# Altium PCB mb1260.PcbDoc (part 6 of 7) (continued)
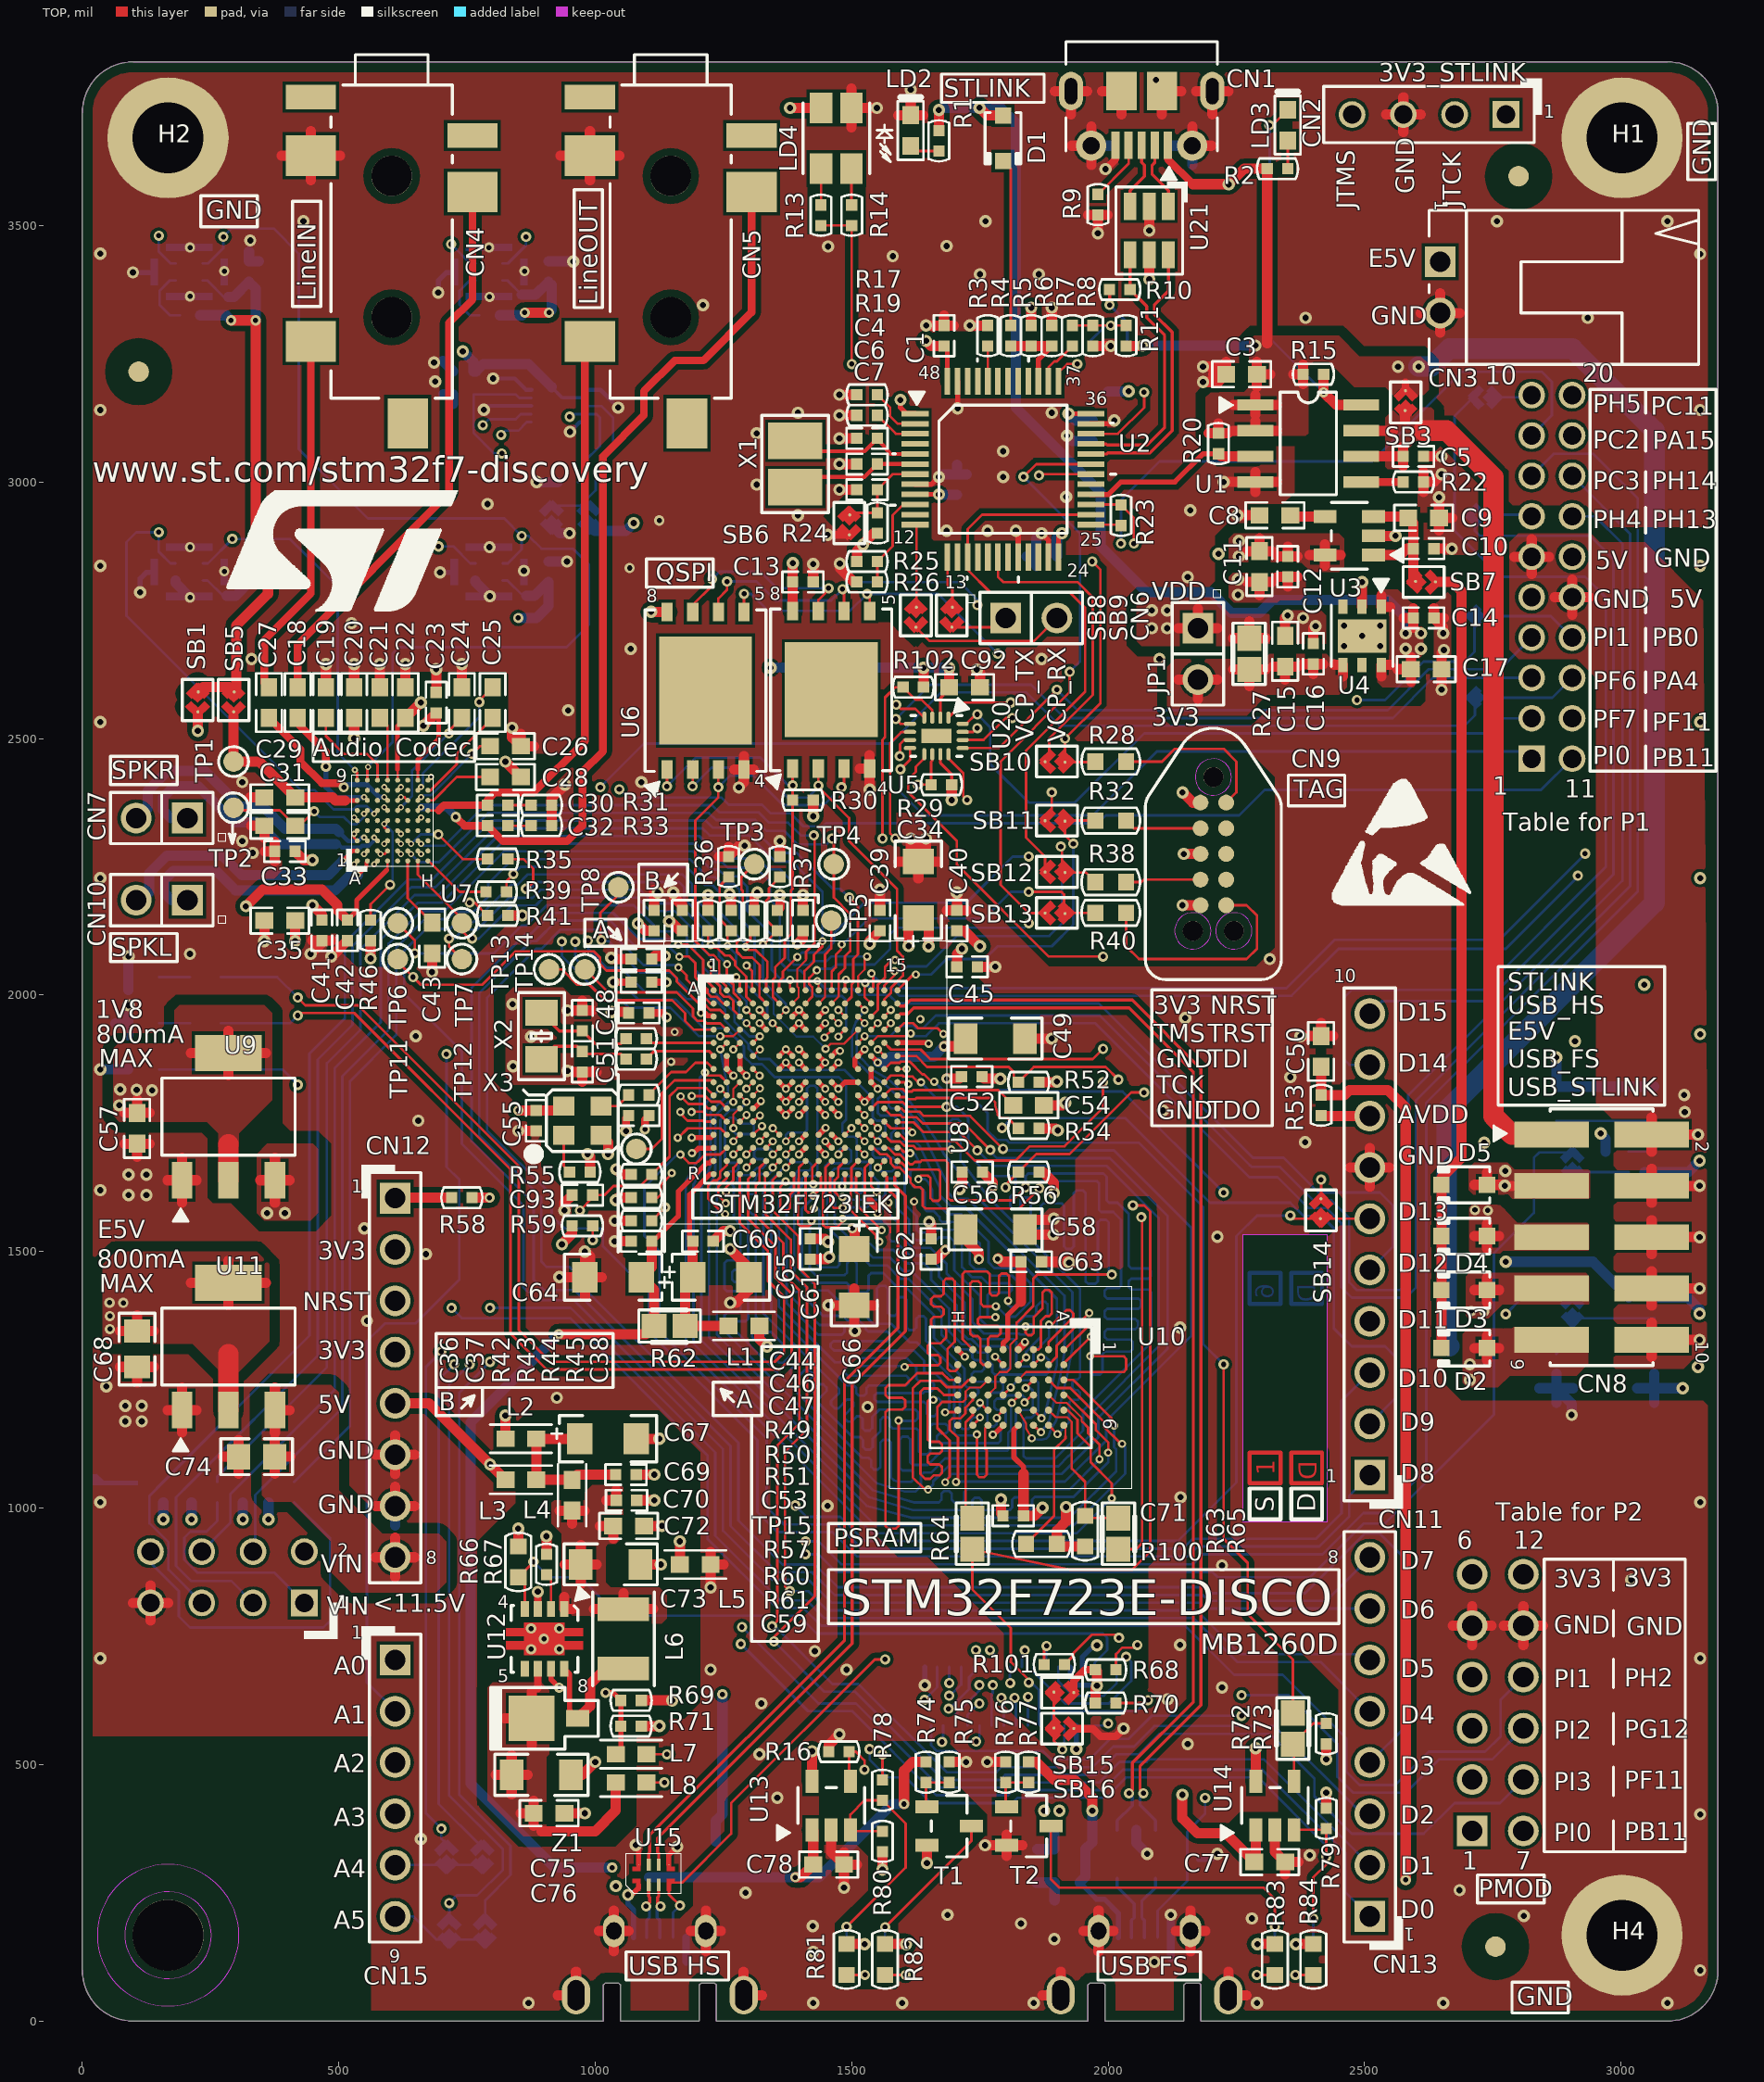
[diagram p0: TOP view]
## Other copper (continued)

## Silkscreen, mask and mechanical layers (free items; w line width, h text height)
Top Overlay:
  drawing of 5591 lines, arcs and shapes, not listed
  text "3V3_STLINK" at 2528,3781 h35
  text "STLINK" at 1680,3750 h35
  text "GND" at 3175.3,3598.1 h35 r90
  text "GND" at 2596,3562 h35 r90
  text "JTCK" at 2687,3535 h35 r90
  text "JTMS" at 2481,3532 h35 r90
  text "GND" at 241.1,3512.7 h35
  text "E5V" at 2507,3419 h35
  text "LineIN" at 455,3353 h35 r90
  text "LineOUT" at 1004,3345 h35 r90
  text "GND" at 2512,3307 h35
  text "20" at 2925,3195 h35
  text "10" at 2735,3190 h35
  text "PH5" at 2945,3135 h35
  text "PC11" at 3058,3131 h35
  text "PC2" at 2945,3065 h35
  text "PA15" at 3061,3064 h35
  text "www.st.com/stm32f7-discovery" at 20,3000 h50
  text "PC3" at 2945,2985 h35
  text "PH14" at 3060,2985 h35
  text "PH4" at 2945,2910 h35
  text "PH13" at 3060,2910 h35
  text "GND" at 3065,2835 h35
  text "5V" at 2950,2830 h35
  text "QSPI" at 1117.64,2806.5 h35
  text "VDD" at 2085,2770 h35
  text "5V" at 3095,2755 h35
  text "GND" at 2946,2754 h35
  text "PI1" at 2945,2680 h35
  text "PB0" at 3060,2680 h35
  text "PF6" at 2945,2595 h35
  text "PA4" at 3060,2595 h35
  text "3V3" at 2085,2525 h35
  text "PF7" at 2945,2520 h35
  text "PF11" at 3060,2515 h35
  text "VCP_TX" at 1855,2493 h35 r90
  text "VCP_RX" at 1917,2492 h35 r90
  text "Audio" at 450,2465 h35
  text "Codec" at 610,2465 h35
  text "PI0" at 2945,2450 h35
  text "PB11" at 3060,2445 h35
  text "SPKR" at 57.1,2420.7 h35
  text "1" at 2750,2390 h35
  text "11" at 2890,2385 h35
  text "TAG" at 2361.1,2383.7 h35
  text "Table for P1" at 2770,2320 h35
  text "B" at 1095,2205 h35
  text "A" at 995,2110 h35
  text "SPKL" at 57.1,2075.7 h35
  text "STLINK" at 2779,2008 h35
  text "3V3" at 2089,1963 h35
  text "NRST" at 2199,1963 h35
  text "USB_HS" at 2779,1963 h35
  text "1V8" at 26,1955 h35
  text "D15" at 2565,1950 h35
  text "E5V" at 2779,1913 h35
  text "TMS" at 2089,1908 h35
  text "TRST" at 2194,1908 h35
  text "800mA" at 27,1906 h35
  text "MAX" at 32,1859 h35
  text "GND" at 2094,1858 h35
  text "TDI" at 2194,1858 h35
  text "USB_FS" at 2779,1858 h35
  text "D14" at 2565,1850 h35
  text "TCK" at 2094,1808 h35
  text "USB_STLINK" at 2779,1803 h35
  text "GND" at 2094,1758 h35
  text "TDO" at 2194,1758 h35
  text "AVDD" at 2565,1750 h35
  text "GND" at 2565,1670 h35
  text "STM32F723IEK" at 1222,1575 h35
  text "D13" at 2565,1560 h35
  text "E5V" at 30,1526 h35
  text "3V3" at 460,1485 h35
  text "800mA" at 29,1468 h35
  text "D12" at 2565,1460 h35
  text "MAX" at 33,1420 h35
  text "NRST" at 430,1385 h35
  text "D11" at 2565,1350 h35
  text "3V3" at 460,1290 h35
  text "D10" at 2565,1235 h35
  text "A" at 1275,1195 h35
  text "B" at 695,1190 h35
  text "5V" at 460,1185 h35
  text "D9" at 2570,1150 h35
  text "GND" at 460,1095 h35
  text "D8" at 2570,1050 h35
  text "S" at 2323,992 h35 r90
  text "D" at 2404,992 h35 r90
  text "GND" at 460,990 h35
  text "Table for P2" at 2755,975 h35
  text "PSRAM" at 1465,925 h35
  text "6" at 2680,920 h35
  text "12" at 2790,920 h35
  text "D7" at 2570,880 h35
  text "VIN" at 465,874 h35
  text "3V3" at 3006,847 h35
  text "3V3" at 2869,845 h35
  text "<11.5V" at 567,797 h35
  text "VIN" at 477,792 h35
  text "STM32F723E-DISCO" at 1478.78,790.59 h70
  text "D6" at 2570,785 h35
  text "GND" at 2869,755 h35
  text "GND" at 3011,752 h35
  text "MB1260D" at 2180,715 h40
  text "A0" at 490,675 h35
  text "D5" at 2570,670 h35
  text "PH2" at 3006,652 h35
  text "PI1" at 2869,650 h35
  text "A1" at 490,580 h35
  text "D4" at 2570,580 h35
  text "PG12" at 3006,552 h35
  text "PI2" at 2869,550 h35
  text "A2" at 490,485 h35
  text "D3" at 2570,480 h35
  text "PF11" at 3006,452 h35
  text "PI3" at 2869,450 h35
  text "D2" at 2570,385 h35
  text "A3" at 490,380 h35
  text "PB11" at 3006,352 h35
  text "PI0" at 2869,350 h35
  text "1" at 2690,295 h35
  text "7" at 2795,295 h35
  text "D1" at 2570,285 h35
  text "A4" at 490,280 h35
  text "PMOD" at 2722.1,240.7 h35
  text "D0" at 2570,200 h35
  text "A5" at 490,180 h35
  text "USB HS" at 1065,90 h35
  text "USB FS" at 1985,90 h35
  text "GND" at 2797.1,30.7 h35
  text "SILKSCREEN, (PRIMARY)" at 1943.2,-2056.3 h60
  text "SILKSCREEN, (PRIMARY)" at 1943.2,-2056.3 h60
Bottom Overlay:
  drawing of 5533 lines, arcs and shapes, not listed
  text "3V3_STLINK" at 2860,3765 h35
  text "STLINK" at 2160,3720 h35
  text "GND" at 407,3701 h35
  text "GND" at 2550,3570 h35 r270
  text "JTMS" at 2460,3560 h35 r270
  text "JTCK" at 2660,3550 h35 r270
  text "GND" at 3040,3486 h35
  text "STM32F723E-DISCO" at 2105.72,3450.1 h70
  text "E5V" at 2815,3405 h35
  text "www.st.com/stm32f7-discovery" at 2147,3372 h50
  text "GND" at 2815,3320 h35
  text "1" at 2490,3060 h35 r270
  text "1" at 2555,3060 h35 r270
  text "UART" at 2610,3030 h35 r270
  text "RTS,PF8" at 2255,2975 h35 r270
  text "RX,PF6" at 2315,2975 h35 r270
  text "TX,PF7" at 2375,2975 h35 r270
  text "CTS,PF9" at 2435,2975 h35 r270
  text "0" at 2490,2825 h35 r270
  text "1" at 2560,2825 h35 r270
  text "VDD" at 2220,2760 h35
  text "RX,PF6" at 2315,2745 h35 r270
  text "SCK,PI1" at 2260,2740 h35 r270
  text "TX,PF7" at 2370,2740 h35 r270
  text "NSS,PI0" at 2435,2735 h35 r270
  text "UART/SPI" at 2610,2710 h35 r270
  text "VCPTX" at 1775,2660 h35
  text "VCPRX" at 2045,2660 h35
  text "0" at 2490,2550 h35 r270
  text "0" at 2555,2550 h35 r270
  text "3V3" at 2225,2525 h35
  text "SPI" at 2610,2520 h35 r270
  text "MOSI,PI3" at 2380,2435 h35 r270
  text "NSS,PI0" at 2435,2435 h35 r270
  text "MB1260D" at 245,2430 h50 r270
  text "SCK,PI1" at 2260,2430 h35 r270
  text "MISO,PI2" at 2320,2430 h35 r270
  text "SPKR" at 170,2405 h35
  text "PMOD#4" at 2260,2180 h35 r270
  text "PMOD#3" at 2320,2180 h35 r270
  text "PMOD#2" at 2375,2180 h35 r270
  text "PMOD#1" at 2435,2180 h35 r270
  text "SPKL" at 170,2097 h35
  text "SEL_1,PI10" at 2495,2090 h35 r270
  text "SEL_0,PH15" at 2555,2090 h35 r270
  text "PH4" at 2645,1950 h35
  text "USER&WAKEUP" at 3146,1949 h35
  text "PH5" at 2645,1850 h35
  text "VREF+" at 2710,1750 h35
  text "GND" at 2645,1645 h35
  text "PA5" at 2645,1550 h35
  text "B" at 2324,1509 h35 r90
  text "D" at 2405,1509 h35 r90
  text "3V3" at 570,1485 h35
  text "PB4" at 2645,1450 h35
  text "LCD" at 1505,1435 h75
  text "NRST" at 570,1385 h35
  text "PB5" at 2645,1345 h35
  text "3V3" at 565,1290 h35
  text "PA1" at 2645,1245 h35
  text "5V" at 565,1185 h35
  text "PH6" at 2645,1145 h35
  text "GND" at 565,1095 h35
  text "RESET" at 3050,1080 h35
  text "PE4" at 2645,1050 h35
  text "WIFI" at 35,990 h35 r270
  text "GND" at 565,990 h35
  text "PE3" at 2645,890 h35
  text "<11.5V" at 760,830 h35
  text "VIN" at 855,825 h35
  text "PE6" at 2645,790 h35
  text "PA6" at 550,685 h35
  text "PB0" at 2645,685 h35
  text "<-" at 455,595 h35
  text "PA4" at 550,590 h35
  text "PH3" at 2645,590 h35
  text "<-" at 455,485 h35
  text "PC4" at 550,485 h35
  text "PE5" at 2645,485 h35
  text "PC5" at 2645,385 h35
  text "PF10" at 550,365 h35
  text "PA2" at 2645,280 h35
  text "PC0" at 550,275 h35
  text "PC1" at 550,190 h35
  text "PA3" at 2645,180 h35
  text "GND" at 2895,30 h35
  text "USB HS" at 1525,15 h35
  text "USB FS" at 2490,15 h35
  text "SILKSCREEN, (SECONDARY)" at 3028.8,-2048.37 h60
  text "SILKSCREEN, (SECONDARY)" at 3028.8,-2048.37 h60
Top Paste:
  region: 940.37,776.5 861.63,776.5 861.63,765.67 826.2,765.67 826.2,749.92 861.63,749.92 861.63,740.08 826.2,740.08 826.2,724.33 861.63,724.33 861.63,713.5 940.37,713.5 940.37,724.33 975.8,724.33 975.8,740.08 940.37,740.08 940.37,749.92 975.8,749.92 975.8,765.67 940.37,765.67 940.37,776.5
  region: 1088.41,292.88 1072.66,292.88 1072.66,300.75 1080.53,300.75 1080.53,316.5 1088.41,316.5 1088.41,292.88
  region: 1139.59,292.88 1155.34,292.88 1155.34,300.75 1147.47,300.75 1147.47,316.5 1139.59,316.5 1139.59,292.88
  region: 1088.41,277.12 1072.66,277.12 1072.66,269.25 1080.53,269.25 1080.53,253.5 1088.41,253.5 1088.41,277.12
  region: 1139.59,277.12 1155.34,277.12 1155.34,269.25 1147.47,269.25 1147.47,253.5 1139.59,253.5 1139.59,277.12
  text "SOLDER PASTE (PRIMARY)" at 1943.2,-2056.3 h60
  text "SOLDER PASTE (PRIMARY)" at 1943.2,-2056.3 h60
Bottom Paste:
  text "SOLDER PASTE (SECONDARY)" at 1943.2,-2056.3 h60
  text "SOLDER PASTE (SECONDARY)" at 1943.2,-2056.3 h60
Top Solder:
  region: 940.37,776.5 861.63,776.5 861.63,765.67 826.2,765.67 826.2,749.92 861.63,749.92 861.63,740.08 826.2,740.08 826.2,724.33 861.63,724.33 861.63,713.5 940.37,713.5 940.37,724.33 975.8,724.33 975.8,740.08 940.37,740.08 940.37,749.92 975.8,749.92 975.8,765.67 940.37,765.67 940.37,776.5
  region: 1090.41,318.5 1090.41,290.88 1070.66,290.88 1070.66,302.75 1078.53,302.75 1078.53,318.5 1090.41,318.5
  region: 1137.59,318.5 1149.47,318.5 1149.47,302.75 1157.34,302.75 1157.34,290.88 1137.59,290.88 1137.59,318.5
  region: 1090.41,251.5 1078.53,251.5 1078.53,267.25 1070.66,267.25 1070.66,279.12 1090.41,279.12 1090.41,251.5
  region: 1137.59,251.5 1137.59,279.12 1157.34,279.12 1157.34,267.25 1149.47,267.25 1149.47,251.5 1137.59,251.5
  text "SOLDER MASK (PRIMARY)" at 1943.2,-2056.3 h60
  text "SOLDER MASK (PRIMARY)" at 1943.2,-2056.3 h60
Bottom Solder:
  text "SOLDER MASK (SECONDARY)" at 1943.2,-2056.3 h60
  text "SOLDER MASK (SECONDARY)" at 1943.2,-2056.3 h60
Mechanical 1:
  lines w1: 134,2840 134,2875 170,2875 170,2840 134,2840 ; 135.69,870.11 235.09,870.11 235.09,932.43 135.69,932.43 135.69,870.11 ; 140.69,2375.11 240.09,2375.11 240.09,2437.43 140.69,2437.43 140.69,2375.11 ; 145,3350 145,3460 181,3460 181,3350 145,3350 ; 150.69,1770.11 250.09,1770.11 250.09,1832.43 150.69,1832.43 150.69,1770.11 ; 245,2770 245,2880 281,2880 281,2770 245,2770 ; 245,3350 245,3460 281,3460 281,3350 245,3350 ; 518.78,2246.26 689.01,2246.26 689.01,2437.92 518.78,2437.92 518.78,2246.26 ; 715,2840 715,2875 751,2875 751,2840 715,2840 ; 725,3350 725,3460 761,3460 761,3350 725,3350 ; 830,2770 830,2880 866,2880 866,2770 830,2770 ; 835,3350 835,3460 871,3460 871,3350 835,3350 ; 849.21,3107.97 849.21,3177.33 885.21,3177.33 885.21,3107.97 849.21,3107.97 ; 964.21,3107.97 964.21,3177.33 1000.21,3177.33 1000.21,3107.97 964.21,3107.97 ; 1200,1631.82 1200,2033.18 1206.82,2040 1360,2040 1390,2070 1505,2070 1535,2040 1615,2040 1615,1970 1640,1945 1640,1670 1615,1645 1615,1605 1615,1600 1594.13,1579.13 1545.87,1579.13 1520,1605 1226.82,1605 1200,1631.82 ; 1675,1140 1675,1344.28 1770,1344.28 1785,1359.28 1785,1390 1790,1395 1830,1395 1835,1390 1835,1349.28 1840,1344.28 1950,1344.28 1950,1140 1942,1132 1912,1132 1904,1140 1675,1140
DIMENSION:
  drawing of 513 lines, arcs and shapes, not listed
  text "FAB DARWING & DRILL LEGEND" at 1943.2,-2056.3 h60
  text "FAB DARWING & DRILL LEGEND" at 1943.2,-2056.3 h60
LAY2:
  lines w8: 2276,1118 2276,1128 2276,1178 2336,1178 2336,1118 2276,1118 ; 2357,1118 2357,1128 2357,1178 2417,1178 2417,1118 2357,1118
  text "2" at 2324,1136 h35 r90
  text "D" at 2405,1136 h35 r90
  text "2" at 2443.2,-1906.3 h75
  text "2" at 2443.2,-1906.3 h75
  text "LAYER 2 (GND PLANE)" at 1943.2,-2056.3 h60
  text "LAYER 2 (GND PLANE)" at 1943.2,-2056.3 h60
LAY4:
  lines w8: 2276,1258 2276,1268 2276,1318 2336,1318 2336,1258 2276,1258 ; 2357,1258 2357,1268 2357,1318 2417,1318 2417,1258 2357,1258
  text "4" at 2325,1300 h35 r90
  text "D" at 2405,1274 h35 r90
  text "4" at 2443.2,-1906.3 h75
  text "4" at 2443.2,-1906.3 h75
  text "LAYER 4 (INTERNAL SIGNAL)" at 1943.2,-2056.3 h60
  text "LAYER 4 (INTERNAL SIGNAL)" at 1943.2,-2056.3 h60
LAY5:
  lines w8: 2276,1328 2276,1338 2276,1388 2336,1388 2336,1328 2276,1328 ; 2357,1328 2357,1338 2357,1388 2417,1388 2417,1328 2357,1328
  text "5" at 2323,1368 h35 r90
  text "D" at 2404,1368 h35 r90
  text "5" at 2443.2,-1906.3 h75
  text "5" at 2443.2,-1906.3 h75
  text "LAYER 5 (GND PLANE)" at 1943.2,-2056.3 h60
  text "LAYER 5 (GND PLANE)" at 1943.2,-2056.3 h60
LAY3:
  lines w8: 2276,1188 2276,1198 2276,1248 2336,1248 2336,1188 2276,1188 ; 2357,1188 2357,1198 2357,1248 2417,1248 2417,1188 2357,1188
  text "3" at 2325,1202 h35 r90
  text "D" at 2406,1202 h35 r90
  text "3" at 2443.2,-1906.3 h75
  text "3" at 2443.2,-1906.3 h75
  text "LAYER 3 (VCC PLANE)" at 1943.2,-2056.3 h60
  text "LAYER 3 (VCC PLANE)" at 1943.2,-2056.3 h60
LCD_REF_160412:
  drawing of 122 lines, arcs and shapes, not listed
  text "LCD" at 1438.19,1805.12 h75
FAB_NOTES:
  drawing of 205 lines, arcs and shapes, not listed
DRAWING_ORIGIN:
  lines w1: -25,0 25,0 ; 0,-25 0,25
Drill Drawing:
  drawing of 25393 lines, arcs and shapes, not listed
  text "6" at -1462,10961 h130
  text "5" at 2038,10961 h130
  text "4" at 5538,10961 h130
  text "3" at 9038,10961 h130
  text "2" at 12538,10961 h130
  text "1" at 16038,10961 h130
  text "REVISIONS" at 15140,10710 h85
  text "REVISIONS" at 15140,10710 h85
  text "REV" at 13690,10460 h75
  text "REV" at 13690,10460 h75
  text "DESCRIPTION" at 14240,10460 h75
  text "DESCRIPTION" at 14240,10460 h75
  text "DATE" at 16390,10460 h75
  text "DATE" at 16390,10460 h75
  text "APPROVED" at 17090,10460 h75
  text "APPROVED" at 17090,10460 h75
  text "1.0" at 13690,10260 h75
  text "1.0" at 13690,10260 h75
  text "EDITION ORIGINALE" at 14240,10260 h75
  text "EDITION ORIGINALE" at 14240,10260 h75
  text "2008-**-**" at 16240,10260 h75
  text "2008-**-**" at 16240,10260 h75
  text "***" at 17250,10260 h75
  text "***" at 17250,10260 h75
  text "D" at -3462,8661 h130
  text "D" at 17838,8661 h130
  text "4" at 12139.2,7215.4 h75
  text "4" at 12139.2,7215.4 h75
  text "LAYER STUCK-UP" at 12339.2,7215.4 h75
  text "SOLDERMASK & SILKSCREEN" at 14099.2,6975.4 h60
  text "TOP     (0.5 oz cu+planted)" at 14099.2,6855.4 h60
  text "PREPREG  3.9 mil" at 12779.2,6690.4 h60
  text "LAYER 2 (1 oz)" at 14099.2,6555.4 h60
  text "CORE     4  mil" at 12779.2,6455.4 h60
  text "LAYER 3 (1 oz)" at 14099.2,6355.4 h60
  text "63 mil" at 11907.2,6282.9 h75
  text "PREPREG  ** mil" at 12779.2,6190.4 h60
  text "+/-10%" at 11949.2,6175.4 h50
  text "5" at 4592,6164.6 h100
  text "IMPEDANCE TABLE" at 4825.8,6122.8 h100
  text "IMPEDANCE TABLE" at 4825.8,6122.8 h100
  text "LAYER 4 (1 oz)" at 14099.2,6055.4 h60
  text "CORE     4  mil" at 12779.2,5955.4 h60
  text "LAYER 5 (1 oz)" at 14099.2,5855.4 h60
  text "LAYER" at 4750.8,5828.8 h75
  text "LAYER" at 4750.8,5828.8 h75
  text "TOLERANCE" at 8500.8,5828.8 h75
  text "TOLERANCE" at 8500.8,5828.8 h75
  text "TRACE" at 5500.8,5818.8 h75
  text "TRACE" at 5500.8,5818.8 h75
  text "SPACEING" at 6050.8,5818.8 h75
  text "SPACEING" at 6050.8,5818.8 h75
  text "IMPEDANCE" at 6800.8,5818.8 h75
  text "IMPEDANCE" at 6800.8,5818.8 h75
  text "IMPEDANCE" at 7700.8,5818.8 h75
  text "IMPEDANCE" at 7700.8,5818.8 h75
  text "(mil)" at 5550.8,5728.8 h50
  text "(mil)" at 5550.8,5728.8 h50
  text "(Single end)" at 6850.8,5728.8 h50
  text "(Single end)" at 6850.8,5728.8 h50
  text "(mil)" at 6150.8,5718.8 h50
  text "(mil)" at 6150.8,5718.8 h50
  text "(Differential)" at 7700.8,5718.8 h50
  text "(Differential)" at 7700.8,5718.8 h50
  text "PREPREG  3.9 mil" at 12779.2,5690.4 h60
  text "1,6" at 4745.8,5582.8 h75
  text "1,6" at 4745.8,5582.8 h75
  text "5.0" at 5545.8,5572.8 h75
  text "5.0" at 5545.8,5572.8 h75
  text "BOTTOM  (0.5 oz cu+planted)" at 14099.2,5555.4 h60
  text "N/A" at 6200.8,5518.8 h75
  text "N/A" at 6200.8,5518.8 h75
  text "55 OHM" at 6850.8,5508.8 h75
  text "55 OHM" at 6850.8,5508.8 h75
  text "N/A" at 7850.8,5508.8 h75
  text "N/A" at 7850.8,5508.8 h75
  text "+/-10%" at 8600.8,5508.8 h75
  text "+/-10%" at 8600.8,5508.8 h75
  text "4.0" at 5535.8,5452.8 h75
  text "4.0" at 5535.8,5452.8 h75
  text "4" at 4745.8,5442.8 h75
  text "4" at 4745.8,5442.8 h75
  text "SOLDERMASK & SILKSCREEN" at 14099.2,5435.4 h60
  text "N/A" at 6955.8,5272.8 h75
  text "100 OHM" at 7765.8,5262.8 h75
  text "+/-10%" at 8600.8,5258.8 h75
  text "+/-10%" at 8600.8,5258.8 h75
  text "6 LAYER STACKING" at 12719.2,5255.4 h75
  text "90 OHM" at 7759.8,5016.8 h75
  text "1,6" at 4745.8,5015.65 h75
  text "6.1" at 5535.8,5015.65 h75
  text "+/-10%" at 8606.8,5014.8 h75
  text "8.9" at 6175.8,5005.65 h75
  text "N/A" at 6960.8,4993.8 h75
  text "C" at -3462,4761 h130
  text "C" at 17838,4761 h130
  text "PCB SPECIFICATIONS:" at 10970,3435.4 h85
  text "Symbol" at 4685.84,3434.01 h118.11
  text "Hit Count" at 5148.39,3434.01 h118.11
  text "Finished Hole Size" at 5701.87,3434.01 h118.11
  text "Plated" at 6692.33,3434.01 h118.11
  text "Hole Length" at 7098.54,3434.01 h118.11
  text "Hole Type" at 7775.1,3434.01 h118.11
  text "Tolerance" at 8366.22,3434.01 h118.11
  text "A. MATERIAL;" at 10970,3235.4 h85
  text "FR-4," at 12720,3235.4 h85
  text "TG-170" at 13670,3235.4 h85
  text "TG-150" at 14420,3235.4 h85
  text "TG-140" at 15270,3235.4 h85
  text "2" at 5343.1,3230.13 h98.43
  text "24,00mil" at 5973.96,3230.13 h98.43
  text "PTH" at 6753.16,3230.13 h98.43
  text "51,00mil" at 7214.23,3230.13 h98.43
  text "Slot" at 7936.04,3230.13 h98.43
  text "+5.0/-5.0" at 8427.38,3230.13 h98.43
  text "B. MATERIAL FAMILY;" at 10970,3035.4 h85
  text "N/A." at 12720,3035.4 h85
  text "4" at 5342.11,3026.26 h98.43
  text "30,00mil" at 5974.51,3026.26 h98.43
  text "PTH" at 6753.16,3026.26 h98.43
  text "33,00mil" at 7214.23,3026.26 h98.43
  text "Slot" at 7936.04,3026.26 h98.43
  text "+5.0/-5.0" at 8427.38,3026.26 h98.43
  text "C. SOLDERMASK COLOR;" at 10970,2835.4 h85
  text "GREEN" at 12870,2835.4 h85
  text "BLUE" at 13620,2835.4 h85
  text "RED" at 14470,2835.4 h85
  text "BLACK" at 15320,2835.4 h85
  text "4" at 5342.11,2822.38 h98.43
  text "33,00mil" at 5974.51,2822.38 h98.43
  text "PTH" at 6753.16,2822.38 h98.43
  text "59,00mil" at 7214.23,2822.38 h98.43
  text "Slot" at 7936.04,2822.38 h98.43
  text "+5.0/-5.0" at 8427.38,2822.38 h98.43
  text "D. SILKSCREEN COLOR;" at 10970,2635.4 h85
  text "WHITE" at 12870,2635.4 h85
  text "YELLOW" at 13620,2635.4 h85
  text "BLACK" at 14470,2635.4 h85
  text "35" at 5318.61,2618.51 h98.43
  text "6,00mil" at 5998.79,2618.51 h98.43
  text "PTH" at 6753.16,2618.51 h98.43
  text "-" at 7363.74,2618.51 h98.43
  text "Round" at 7886.42,2618.51 h98.43
  text "+3.0/-3.0" at 8427.38,2618.51 h98.43
  text "E. SURFACE FINISH;" at 10970,2435.4 h85
  text "ENIG" at 12870,2435.4 h85
  text "IMMERSION SILVER" at 13620,2435.4 h85
  text "IMMERSION TIN" at 15320,2435.4 h85
  text "196" at 5297.31,2414.63 h98.43
  text "8,00mil" at 5998.93,2414.63 h98.43
  text "PTH" at 6753.16,2414.63 h98.43
  text "-" at 7363.74,2414.63 h98.43
  text "Round" at 7886.42,2414.63 h98.43
  text "+3.0/-3.0" at 8427.38,2414.63 h98.43
  text "HASL" at 12870,2235.4 h85
  text "HASL(PB-FREE)" at 13620,2235.4 h85
  text "GOLDEN FINGER" at 15320,2235.4 h85
  text "231" at 5299.9,2210.76 h98.43
  text "10,00mil" at 5977.45,2210.76 h98.43
  text "PTH" at 6753.16,2210.76 h98.43
  text "-" at 7363.74,2210.76 h98.43
  text "Round" at 7886.42,2210.76 h98.43
  text "+3.0/-3.0" at 8427.38,2210.76 h98.43
  text "NO" at 12870,2035.4 h85
  text "YES" at 13620,2035.4 h85
  text "(SEE IMPEDANCE TABLE FOR DETAIL INFORMATION)" at 13820,2035.4 h85
  text "F. IMPEDANCE CONTROL;" at 11068.5,2027.5 h85
  text "389" at 5294.3,2006.88 h98.43
  text "12,00mil" at 5977.45,2006.88 h98.43
  text "PTH" at 6753.16,2006.88 h98.43
  text "-" at 7363.74,2006.88 h98.43
  text "Round" at 7886.42,2006.88 h98.43
  text "+3.0/-3.0" at 8427.38,2006.88 h98.43
  text "G. THROUGH VIA;" at 10970,1835.4 h85
  text "PLUG THE VIAS WHICH ARE COVERED WITH SOLDERMASK ONE OR TWO SIDE." at 12420,1835.4 h85
  text "2" at 5343.1,1803.01 h98.43
  text "33,00mil" at 5974.51,1803.01 h98.43
  text "PTH" at 6753.16,1803.01 h98.43
  text "-" at 7363.74,1803.01 h98.43
  text "Round" at 7886.42,1803.01 h98.43
  text "+3.0/-3.0" at 8427.38,1803.01 h98.43
  text "PLUG MATERIAL:" at 12420,1635.4 h85
  text "SOLDERMASK" at 14020,1635.4 h85
  text "NON-CONDUCTIVE EPOXY." at 15320,1635.4 h85
  text "32" at 5319.16,1599.13 h98.43
  text "36,00mil" at 5974.51,1599.13 h98.43
  text "PTH" at 6753.16,1599.13 h98.43
  text "-" at 7363.74,1599.13 h98.43
  text "Round" at 7886.42,1599.13 h98.43
  text "+3.0/-3.0" at 8427.38,1599.13 h98.43
  text "SEE LAYER STACK-UP SEQUENCE FOR OVERALL THICKNESS." at 12422,1428 h85
  text "H. STACK-UP;" at 11056.7,1423.6 h85
  text "54" at 5318.96,1395.26 h98.43
  text "40,00mil" at 5973.18,1395.26 h98.43
  text "PTH" at 6753.16,1395.26 h98.43
  text "-" at 7363.74,1395.26 h98.43
  text "Round" at 7886.42,1395.26 h98.43
  text "+3.0/-3.0" at 8427.38,1395.26 h98.43
  text "3" at 5343.34,1191.38 h98.43
  text "138,00mil" at 5952.96,1191.38 h98.43
  text "PTH" at 6753.16,1191.38 h98.43
  text "-" at 7363.74,1191.38 h98.43
  text "Round" at 7886.42,1191.38 h98.43
  text "+3.0/-3.0" at 8427.38,1191.38 h98.43
  text "PCB REQUIREMENTS:" at 10960,1135.4 h85
  text "B" at 17838,1061 h130
  text "B" at -3462,1048 h130
  text "4" at 5342.11,987.5 h98.43
  text "79,00mil" at 5974.75,987.5 h98.43
  text "NPTH" at 6721.34,987.5 h98.43
  text "-" at 7363.74,987.5 h98.43
  text "Round" at 7886.42,987.5 h98.43
  text "+2.0/-2.0" at 8427.38,987.5 h98.43
  text "1. THIS BOARD WILL CONFORM TO:" at 10910,935.4 h85
  text "IPC-A-600. CURRENT REV., CLASS II" at 10910,785.4 h85
  text "1" at 5352.35,783.63 h98.43
  text "138,00mil" at 5952.96,783.63 h98.43
  text "NPTH" at 6721.34,783.63 h98.43
  text "-" at 7363.74,783.63 h98.43
  text "Round" at 7886.42,783.63 h98.43
  text "+2.0/-2.0" at 8427.38,783.63 h98.43
  text "IPC-6012, CURRENT REV., CLASS II" at 10910,635.4 h85
  text "3" at 5343.34,579.75 h98.43
  text "39,00mil" at 5974.51,579.75 h98.43
  text "PTH" at 6753.16,579.75 h98.43
  text "-" at 7363.74,579.75 h98.43
  text "Round" at 7886.42,579.75 h98.43
  text "2. UNLESS OTHERWISE SPECIFIED ALL HOLE DIMENSIONS APPLY AFTER PLATING." at 10910,425.4 h85
  text "960 Total" at 5185.4,375.88 h98.43
  text "ALL HOLES SHALL BE LOCATED WITHIN .003\" DIAMETER OF TRUE POSITION." at 10910,275.4 h85
  text "Slot definitions :" at 4685.84,233.17 h98.43
  text "Routed Path Length" at 5356.72,233.17 h98.43
  text "= Calculated from tool start centre position to tool end centre position." at 6188.17,233.17 h98.43
  text "Hole Length" at 5356.72,151.62 h98.43
  text "= Routed Path Length + Tool Size = Slot length as defined in the PCB layout" at 5879.52,151.62 h98.43
  text "3. PLATED HOLE WALL THICKNESS SHALL NOT BE LESS THAN .001 INCH MINIMUM" at 10910,75.4 h85
  text "AVERAGE, WITH NO READING LESS THAN .0008 BY COROSS SECTION." at 11090,-64.6 h85
  text "4. MATERIAL FR4 RATING 94V-0 MINIMUM EPOXY GLASS LAMINATE." at 10910,-274.6 h85
  text "5. BOARD SHALL BE LPI SOLDER MASKED OVER BARE COPPER BOTH SIDES PER" at 10910,-454.6 h85
  text "IPC-SM-840 CLASS II." at 10910,-604.6 h85
  text "6. SILKSCREEN SHALL BE PERMANENT NON-CONDUCTIVE INK AND WITH NO OVERLAP" at 10910,-804.6 h85
  text "ON ANY COMPONENT PAD OR THROUGH HOLE." at 10910,-954.6 h85
  text "7. MFGR, TO LEGIBLY ETCH OR STAMP/SCREEN WITH PERMANENT NON-CONDUCTIVE INK" at 10910,-1154.6 h85
  text "D. MFGR. LOGO" at 12760,-1284.6 h85
  text "A. U.L. CODE" at 11200,-1304.6 h85
  text "E. SUCCESSFUL ELECTRICAL BOARD TEST." at 12760,-1424.6 h85
  text "B. DATE CODE" at 11200,-1444.6 h85
  text "C. FLAMMABILITY RATING" at 11200,-1584.6 h85
  text "8. REMOVE THE FLASHS WHICH SMALLER THAN HOLE SIZE." at 10910,-1794.6 h85
  text "COMPANY NAME:" at 3493.2,-1856.3 h60
  text "LAYER:" at 1893.2,-1906.3 h75
  text "9. REMOVE ALL SHAPE EDGES AND BURRS .005 MAXIMUM." at 10910,-1994.6 h85
  text "ST" at 3643.2,-2006.3 h75
  text "PROJECT NAME:" at 3493.2,-2156.3 h60
  text "DESIGNED BY SOFER" at 623.2,-2176.3 h60
  text "10. PLEASE USE THE SUPPLIED IPC 356 NETLIST TO VERIFY BOARD BEFORE" at 10910,-2204.6 h85
  text "www.sofer.com.cn" at 643.2,-2276.3 h60
  text "DESIGNER:" at 1943.2,-2306.3 h60
  text "Shelley" at 2443.2,-2306.3 h60
  text "MB1260" at 3643.2,-2306.3 h75
  text "FABRICATING BOARD." at 10910,-2354.6 h85
  text "Tel : +86 21 - 6482 6908" at 443.2,-2456.3 h60
  text "PROJECT NUMBER:" at 3493.2,-2456.3 h60
  text "REV" at 4693.2,-2456.3 h60
  text "Mail: design@sofer.com.cn" at 443.2,-2556.3 h60
  text "DATE:" at 1943.2,-2556.3 h60
  text "2016.12.29" at 2243.2,-2556.3 h60
  text "D031-022A4" at 3643.2,-2606.3 h75
  text "D" at 4793.2,-2606.3 h75
  text "A" at -3462,-3139 h130
  text "A" at 17838,-3139 h130
  text "UNLESS OTHERWISE SPECIFIED" at 10590,-3440 h75
  text "SIGNATURES" at 12490,-3490 h75
  text "DATE" at 13890,-3490 h75
  text "LOGO" at 14590,-3640 h130
  text "COMPANY NAME" at 16090,-3640 h130
  text "DRAWN" at 12490,-3690 h75
  text "YY-MM-DD" at 13790,-3690 h75
  text "DIMENSIONS ARE IN INCHES" at 10640,-3740 h75
  text "TOLERANCES ON;" at 10640,-3890 h75
  text "CHECKED" at 12490,-3890 h75
  text "YY-MM-DD" at 13790,-3890 h75
  text "2 PL DECIMALS +" at 10640,-4040 h75
  text "TITLE" at 14490,-4040 h100
  text "ENGRG" at 12490,-4090 h75
  text "YY-MM-DD" at 13790,-4090 h75
  text "PROJECT NAME *" at 15240,-4140 h130
  text "3 PL DECIMALS +" at 10640,-4190 h75
  text "ISSUED" at 12490,-4290 h75
  text "ANGLES +" at 10640,-4340 h75
  text "SIZE" at 14515,-4415 h75
  text "B" at 14915,-4415 h75
  text "DWG NO" at 15265,-4415 h75
  text "*********" at 15865,-4415 h75
  text "REV" at 17165,-4415 h75
  text "**" at 17465,-4415 h75
  text "FRACTIONS +" at 10640,-4490 h75
  text "SCALE" at 14515,-4665 h75
  text "1:1" at 14915,-4665 h75
  text "SHEET" at 16515,-4665 h75
  text "1 OF 1" at 17115,-4665 h75
  text "2" at 12533,-4938 h130
  text "6" at -1462,-4939 h130
  text "5" at 2038,-4939 h130
  text "1" at 16038,-4939 h130
  text "3" at 9024,-4942 h130
  text "4" at 5530,-4945 h130
LAY10:
  text "10" at 2393.2,-1906.3 h75
  text "10" at 2393.2,-1906.3 h75
  text "LAYER 10(INTERNAL SIGNAL)" at 1943.2,-2056.3 h60
  text "LAYER 10(INTERNAL SIGNAL)" at 1943.2,-2056.3 h60
LAY7:
  text "7" at 2443.2,-1906.3 h75
  text "7" at 2443.2,-1906.3 h75
  text "LAYER 7 (INTERNAL SIGNAL)" at 1943.2,-2056.3 h60
  text "LAYER 7 (INTERNAL SIGNAL)" at 1943.2,-2056.3 h60

## Text inside footprints (layer, text, board x,y; h text height)
CN9: LIB_UNEVALUATED "6.731" at 2197,1955 h16 r270; LIB_UNEVALUATED "2.03" at 2197,2014 h16 r270; LIB_UNEVALUATED "1.015" at 2217,2675 h16 r270; LIB_UNEVALUATED "0.635" at 2212,2610 h16 r270; LIB_UNEVALUATED "7.62" at 2387,2299 h16 r270; LIB_UNEVALUATED "1.27" at 2347,2294 h16 r270; LIB_UNEVALUATED "1.27" at 2347,2429 h16 r270; LIB_UNEVALUATED "12.446" at 2450.74,2282 h16 r270; LIB_UNEVALUATED "Remark: D031-021A1" at 2542,2466 h25 r270; LIB_UNEVALUATED "Rev   : A1" at 2582,2466 h25 r270; LIB_UNEVALUATED "Date  : 2016-04-08" at 2622,2466 h25 r270; LIB_UNEVALUATED "Creat : Ziv" at 2662,2466 h25 r270; LIB_UNEVALUATED "Ref PN: TC2050-IDC-NL" at 2702,2466 h25 r270; LIB_UNEVALUATED "Sofer Lib Information" at 2752,2496 h25 r270; LIB_UNEVALUATED "TC2050-IDC-FP" at 1854,2280 h30 r270; LIB_UNEVALUATED "3" at 2173.6,2275 h16 r270; LIB_UNEVALUATED "5" at 2173.6,2175 h16 r270; LIB_UNEVALUATED "10" at 2217.2,2375 h16 r270; LIB_UNEVALUATED "1" at 2173.6,2375 h16 r270; LIB_UNEVALUATED "7" at 2223.6,2225 h16 r270; LIB_UNEVALUATED "6" at 2223.6,2175 h16 r270; LIB_UNEVALUATED "2" at 2173.6,2325 h16 r270; LIB_UNEVALUATED "4" at 2173.6,2225 h16 r270; LIB_UNEVALUATED "8" at 2223.6,2275 h16 r270; LIB_UNEVALUATED "9" at 2223.6,2325 h16 r270
CN10: LIB_UNEVALUATED "2" at 115,2185 h25 r180; LIB_UNEVALUATED "1" at 215,2185 h25 r180
CN11: LIB_UNEVALUATED "NO" at 2491.84,1513.94 h35 r90; LIB_UNEVALUATED "Remark: D031-015A1" at 2367.84,1332.94 h25 r90; LIB_UNEVALUATED "Rev   : A1" at 2327.84,1332.94 h25 r90; LIB_UNEVALUATED "Date  : 2015-06-08" at 2287.84,1332.94 h25 r90; LIB_UNEVALUATED "Creat : Ziv" at 2247.84,1332.94 h25 r90; LIB_UNEVALUATED "Ref PN: 313110S141" at 2207.84,1332.94 h25 r90; LIB_UNEVALUATED "Sofer Lib Information" at 2157.84,1302.94 h25 r90; LIB_UNEVALUATED "HDR_1X10_2R54" at 2508.84,1508.94 h30 r90; LIB_UNEVALUATED "7" at 2508.77,1663.61 h16 r90; LIB_UNEVALUATED "10" at 2502.37,1963.61 h16 r90; LIB_UNEVALUATED "9" at 2508.77,1863.61 h16 r90; LIB_UNEVALUATED "6" at 2508.77,1563.94 h16 r90; LIB_UNEVALUATED "5" at 2508.77,1463.61 h16 r90; LIB_UNEVALUATED "4" at 2508.77,1363.61 h16 r90; LIB_UNEVALUATED "3" at 2508.77,1263.61 h16 r90; LIB_UNEVALUATED "2" at 2508.77,1163.61 h16 r90; LIB_UNEVALUATED "1" at 2508.77,1063.61 h16 r90; LIB_UNEVALUATED "8" at 2508.77,1763.61 h16 r90; Top Overlay "10" at 2440,2025 h25; Top Overlay "1" at 2425,1050 h25
CN12: LIB_UNEVALUATED "NO" at 571.84,1253.94 h35 r270; LIB_UNEVALUATED "Remark: D031-015A1" at 751.84,1429.94 h25 r270; LIB_UNEVALUATED "Rev   : A1" at 791.84,1429.94 h25 r270; LIB_UNEVALUATED "Date  : 2015-06-08" at 831.84,1429.94 h25 r270; LIB_UNEVALUATED "Creat : Ziv" at 871.84,1429.94 h25 r270; LIB_UNEVALUATED "Ref PN: 313108S141" at 911.84,1429.94 h25 r270; LIB_UNEVALUATED "Sofer Lib Information" at 961.84,1459.94 h25 r270; LIB_UNEVALUATED "HDR_1X08_2R54" at 308.84,1248.94 h30 r270; LIB_UNEVALUATED "6" at 598.11,1103.94 h16 r270; LIB_UNEVALUATED "7" at 598.11,1004.27 h16 r270; LIB_UNEVALUATED "3" at 598.11,1404.27 h16 r270; LIB_UNEVALUATED "8" at 598.11,904.27 h16 r270; LIB_UNEVALUATED "5" at 598.11,1204.27 h16 r270; LIB_UNEVALUATED "2" at 598.11,1504.27 h16 r270; LIB_UNEVALUATED "4" at 598.11,1304.27 h16 r270; LIB_UNEVALUATED "1" at 598.11,1604.27 h16 r270; Top Overlay "8" at 670,890 h25; Top Overlay "1" at 525,1615 h25
CN13: LIB_UNEVALUATED "NO" at 2547.84,553.94 h35 r90; LIB_UNEVALUATED "Remark: D031-015A1" at 2367.84,377.94 h25 r90; LIB_UNEVALUATED "Rev   : A1" at 2327.84,377.94 h25 r90; LIB_UNEVALUATED "Date  : 2015-06-08" at 2287.84,377.94 h25 r90; LIB_UNEVALUATED "Creat : Ziv" at 2247.84,377.94 h25 r90; LIB_UNEVALUATED "Ref PN: 313108S141" at 2207.84,377.94 h25 r90; LIB_UNEVALUATED "Sofer Lib Information" at 2157.84,347.94 h25 r90; LIB_UNEVALUATED "HDR_1X08_2R54" at 2810.84,558.94 h30 r90; LIB_UNEVALUATED "6" at 2521.57,703.94 h16 r90; LIB_UNEVALUATED "7" at 2521.57,803.61 h16 r90; LIB_UNEVALUATED "3" at 2521.57,403.61 h16 r90; LIB_UNEVALUATED "8" at 2521.57,903.61 h16 r90; LIB_UNEVALUATED "5" at 2521.57,603.61 h16 r90; LIB_UNEVALUATED "2" at 2521.57,303.61 h16 r90; LIB_UNEVALUATED "4" at 2521.57,503.61 h16 r90; LIB_UNEVALUATED "1" at 2521.57,203.61 h16 r90; Top Overlay "8" at 2449.68,917.88 h25 r180; Top Overlay "1" at 2597.84,181.33 h25 r180
CN14: LIB_UNEVALUATED "Remark: ***" at 453.6,992 h25; LIB_UNEVALUATED "Rev   : B1" at 453.6,1032 h25; LIB_UNEVALUATED "Date  : 2007-11-25" at 453.6,1072 h25; LIB_UNEVALUATED "Creat : Sofer Tech" at 453.6,1112 h25; LIB_UNEVALUATED "Ref PN: ***" at 453.6,1152 h25; LIB_UNEVALUATED "Sofer Lib Information" at 483.6,1202 h25; LIB_UNEVALUATED "Approved" at 175.6,855 h35; LIB_UNEVALUATED "HDR_2X4_2R54" at 193.6,705 h30; LIB_UNEVALUATED "7" at 126.59,815 h16; LIB_UNEVALUATED "4" at 326.59,915 h16; LIB_UNEVALUATED "2" at 426.59,915 h16; LIB_UNEVALUATED "6" at 226.59,915 h16; LIB_UNEVALUATED "3" at 326.59,815 h16; LIB_UNEVALUATED "5" at 226.59,815 h16; LIB_UNEVALUATED "1" at 426.59,815 h16; LIB_UNEVALUATED "8" at 126.59,915 h16; Bottom Overlay "1" at 512.6,805 h25; Bottom Overlay "7" at 72.6,800 h25; Bottom Overlay "8" at 72.6,905 h25; Bottom Overlay "2" at 512.6,905 h25; Top Overlay "2" at 497.6,905 h25; Top Overlay "1" at 497.6,805 h25
CN15: LIB_UNEVALUATED "6" at 598.11,203.94 h16 r270; LIB_UNEVALUATED "5" at 598.11,304.27 h16 r270; LIB_UNEVALUATED "1" at 598.11,704.27 h16 r270; LIB_UNEVALUATED "2" at 598.11,604.27 h16 r270; LIB_UNEVALUATED "3" at 598.11,504.27 h16 r270; LIB_UNEVALUATED "4" at 598.11,404.27 h16 r270; LIB_UNEVALUATED "HDR_1X6_2R54" at 345.84,458.94 h30 r270; LIB_UNEVALUATED "Sofer Lib Information" at 941.84,679.94 h25 r270; LIB_UNEVALUATED "Ref PN: 313106S141" at 891.84,649.94 h25 r270; LIB_UNEVALUATED "Creat : Ziv" at 851.84,649.94 h25 r270; LIB_UNEVALUATED "Date  : 2015-06-08" at 811.84,649.94 h25 r270; LIB_UNEVALUATED "Rev   : A1" at 771.84,649.94 h25 r270; LIB_UNEVALUATED "Remark: D031-015A1" at 731.84,649.94 h25 r270; LIB_UNEVALUATED "NO" at 571.84,458.94 h35 r270; Top Overlay "1" at 525,745 h25; Top Overlay "6" at 620,140 h25 r180
CN16: LIB_UNEVALUATED "OK" at 879.74,3148.16 h35 r270; LIB_UNEVALUATED "DF37NB-10DS-0R4V" at 540.74,3217.53 h30 r270; LIB_UNEVALUATED "Remark: D031-015A2" at 1044.74,3051.53 h25 r270; LIB_UNEVALUATED "Rev   : A1" at 1084.74,3051.53 h25 r270; LIB_UNEVALUATED "Date  : 2015-11-06" at 1124.74,3051.53 h25 r270; LIB_UNEVALUATED "Creat : Yuki" at 1164.74,3051.53 h25 r270; LIB_UNEVALUATED "Ref PN: DF37NB-10DS-0R4V" at 1204.74,3051.53 h25 r270; LIB_UNEVALUATED "Sofer Lib Information" at 1254.74,3021.53 h25 r270; LIB_UNEVALUATED "3" at 869.17,3148.16 h16 r270; LIB_UNEVALUATED "6" at 973.51,3116.66 h16 r270; LIB_UNEVALUATED "1" at 869.17,3179.66 h16 r270; LIB_UNEVALUATED "10" at 967.11,3179.66 h16 r270; LIB_UNEVALUATED "2" at 869.17,3163.91 h16 r270; LIB_UNEVALUATED "7" at 973.51,3132.41 h16 r270; LIB_UNEVALUATED "9" at 973.51,3163.91 h16 r270; LIB_UNEVALUATED "12" at 914.94,3228.47 h16 r270; LIB_UNEVALUATED "11" at 914.94,3067.85 h16 r270; LIB_UNEVALUATED "5" at 869.17,3116.66 h16 r270; LIB_UNEVALUATED "4" at 869.17,3132.41 h16 r270; LIB_UNEVALUATED "8" at 973.51,3148.16 h16 r270; ASSEMBLY_BOTTOM "DF37NB-10DS-0.4V (5x)" at 485.74,3197.53 h30 r270; Bottom Overlay "5" at 856.84,3080.76 h25; Bottom Overlay "10" at 1041.84,3190.76 h25; Bottom Overlay "6" at 1036.84,3105.76 h25
CN17: LIB_UNEVALUATED "OK" at 1785.15,653 h35 r180; LIB_UNEVALUATED "Remark: D031-015A2" at 1571.36,463.91 h25 r180; LIB_UNEVALUATED "Rev   : A1" at 1571.36,423.91 h25 r180; LIB_UNEVALUATED "Date  : 2015-11-06" at 1571.36,383.91 h25 r180; LIB_UNEVALUATED "Creat : Yuki" at 1571.36,343.91 h25 r180; LIB_UNEVALUATED "Ref PN: HRS FH26-29S-0.3SHW" at 1571.36,303.91 h25 r180; LIB_UNEVALUATED "Sofer Lib Information" at 1541.36,253.91 h25 r180; LIB_UNEVALUATED "FH26-29S-0R3SHW" at 1605.55,830.09 h30 r180; LIB_UNEVALUATED "27" at 1937.08,690.09 h16 r180; LIB_UNEVALUATED "1" at 1636.4,690.09 h16 r180; LIB_UNEVALUATED "22" at 1878.03,575.91 h16 r180; LIB_UNEVALUATED "23" at 1889.84,690.09 h16 r180; LIB_UNEVALUATED "20" at 1854.41,575.91 h16 r180; LIB_UNEVALUATED "19" at 1842.59,690.09 h16 r180; LIB_UNEVALUATED "3" at 1660.02,690.09 h16 r180; LIB_UNEVALUATED "4" at 1671.83,575.91 h16 r180; LIB_UNEVALUATED "5" at 1683.64,690.09 h16 r180; LIB_UNEVALUATED "6" at 1695.45,575.91 h16 r180; LIB_UNEVALUATED "7" at 1707.26,690.09 h16 r180; LIB_UNEVALUATED "8" at 1719.07,575.91 h16 r180; LIB_UNEVALUATED "9" at 1730.88,690.09 h16 r180; LIB_UNEVALUATED "10" at 1736.29,575.91 h16 r180; LIB_UNEVALUATED "11" at 1748.11,690.09 h16 r180; LIB_UNEVALUATED "12" at 1759.92,575.91 h16 r180; LIB_UNEVALUATED "13" at 1771.73,690.09 h16 r180; LIB_UNEVALUATED "14" at 1783.54,575.91 h16 r180; LIB_UNEVALUATED "15" at 1795.35,690.09 h16 r180; LIB_UNEVALUATED "16" at 1807.16,575.91 h16 r180; LIB_UNEVALUATED "17" at 1818.97,690.09 h16 r180; LIB_UNEVALUATED "18" at 1830.78,575.91 h16 r180; LIB_UNEVALUATED "25" at 1913.46,690.09 h16 r180; LIB_UNEVALUATED "29" at 1960.7,690.09 h16 r180; LIB_UNEVALUATED "28" at 1948.89,575.91 h16 r180; LIB_UNEVALUATED "26" at 1925.27,575.91 h16 r180; LIB_UNEVALUATED "24" at 1901.65,575.91 h16 r180; LIB_UNEVALUATED "21" at 1866.22,690.09 h16 r180; LIB_UNEVALUATED "2" at 1648.21,575.91 h16 r180; ASSEMBLY_BOTTOM "FH26-29S-0.3SHW" at 1560.55,825.09 h30 r180; Bottom Overlay "2" at 1665,515 h25; Bottom Overlay "29" at 1965,730 h25; Bottom Overlay "28" at 1990,520 h25
CN18: LIB_UNEVALUATED "4" at 2090.06,152.13 h16; LIB_UNEVALUATED "1" at 2013.29,152.13 h16; LIB_UNEVALUATED "2" at 2038.88,152.13 h16; LIB_UNEVALUATED "3" at 2064.47,152.13 h16; LIB_UNEVALUATED "9" at 1901.08,39.73 h16; LIB_UNEVALUATED "8" at 2227.86,39.73 h16; LIB_UNEVALUATED "10" at 2058.07,46.82 h16; LIB_UNEVALUATED "7" at 2154.04,164.93 h16; LIB_UNEVALUATED "6" at 1974.9,164.93 h16; LIB_UNEVALUATED "5" at 2115.65,152.13 h16; LIB_UNEVALUATED "Sofer Lib Information" at 2271.87,506.02 h25; LIB_UNEVALUATED "Ref PN: MOLEX 47590001" at 2241.87,456.02 h25; LIB_UNEVALUATED "Creat : Yuki" at 2241.87,416.02 h25; LIB_UNEVALUATED "Date  : 2011-10-18" at 2241.87,376.02 h25; LIB_UNEVALUATED "Rev   : A1" at 2241.87,336.02 h25; LIB_UNEVALUATED "Remark: D031-005A1" at 2241.87,296.02 h25; LIB_UNEVALUATED "MOLEX_47590001" at 1887.87,-172.2 h30; LIB_UNEVALUATED "OK" at 2027.87,46.8 h35; Bottom Overlay "5" at 2130.87,202.8 h25
CN19: LIB_UNEVALUATED "OK" at 1082.98,46.8 h35; LIB_UNEVALUATED "MOLEX_47590001" at 942.98,-172.2 h30; LIB_UNEVALUATED "Remark: D031-005A1" at 1296.98,296.02 h25; LIB_UNEVALUATED "Rev   : A1" at 1296.98,336.02 h25; LIB_UNEVALUATED "Date  : 2011-10-18" at 1296.98,376.02 h25; LIB_UNEVALUATED "Creat : Yuki" at 1296.98,416.02 h25; LIB_UNEVALUATED "Ref PN: MOLEX 47590001" at 1296.98,456.02 h25; LIB_UNEVALUATED "Sofer Lib Information" at 1326.98,506.02 h25; LIB_UNEVALUATED "5" at 1170.76,152.13 h16; LIB_UNEVALUATED "6" at 1030.01,164.93 h16; LIB_UNEVALUATED "7" at 1209.15,164.93 h16; LIB_UNEVALUATED "10" at 1113.18,46.82 h16; LIB_UNEVALUATED "8" at 1282.97,39.73 h16; LIB_UNEVALUATED "9" at 956.19,39.73 h16; LIB_UNEVALUATED "3" at 1119.58,152.13 h16; LIB_UNEVALUATED "2" at 1093.99,152.13 h16; LIB_UNEVALUATED "1" at 1068.4,152.13 h16; LIB_UNEVALUATED "4" at 1145.17,152.13 h16; Bottom Overlay "5" at 1185.98,202.8 h25
D1: LIB_UNEVALUATED "Remark: ***" at 1718,3554 h25 r90; LIB_UNEVALUATED "Rev   : B1" at 1678,3554 h25 r90; LIB_UNEVALUATED "Date  : 2007-11-28" at 1638,3554 h25 r90; LIB_UNEVALUATED "Creat : Sofer Tech" at 1598,3554 h25 r90; LIB_UNEVALUATED "Ref PN: ***" at 1558,3554 h25 r90; LIB_UNEVALUATED "Sofer Lib Information" at 1508,3524 h25 r90; LIB_UNEVALUATED "SOD-323" at 1880,3591 h30 r90; LIB_UNEVALUATED "Approved" at 1808.33,3568 h35 r90; LIB_UNEVALUATED "2" at 1805.67,3619.31 h16 r90; LIB_UNEVALUATED "1" at 1805.67,3707.89 h16 r90
D2: LIB_UNEVALUATED "Remark: ***" at 2578,1389 h25; LIB_UNEVALUATED "Rev   : B1" at 2578,1429 h25; LIB_UNEVALUATED "Date  : 2007-11-28" at 2578,1469 h25; LIB_UNEVALUATED "Creat : Sofer Tech" at 2578,1509 h25; LIB_UNEVALUATED "Ref PN: ***" at 2578,1549 h25; LIB_UNEVALUATED "Sofer Lib Information" at 2548,1599 h25; LIB_UNEVALUATED "SOD-323" at 2615,1227 h30; LIB_UNEVALUATED "Approved" at 2592,1298.67 h35; LIB_UNEVALUATED "2" at 2643.31,1301.33 h16; LIB_UNEVALUATED "1" at 2731.89,1301.33 h16
D3: LIB_UNEVALUATED "Remark: ***" at 2578,1502 h25; LIB_UNEVALUATED "Rev   : B1" at 2578,1542 h25; LIB_UNEVALUATED "Date  : 2007-11-28" at 2578,1582 h25; LIB_UNEVALUATED "Creat : Sofer Tech" at 2578,1622 h25; LIB_UNEVALUATED "Ref PN: ***" at 2578,1662 h25; LIB_UNEVALUATED "Sofer Lib Information" at 2548,1712 h25; LIB_UNEVALUATED "SOD-323" at 2615,1340 h30; LIB_UNEVALUATED "Approved" at 2592,1411.67 h35; LIB_UNEVALUATED "2" at 2643.31,1414.33 h16; LIB_UNEVALUATED "1" at 2731.89,1414.33 h16
D4: LIB_UNEVALUATED "Remark: ***" at 2578,1607 h25; LIB_UNEVALUATED "Rev   : B1" at 2578,1647 h25; LIB_UNEVALUATED "Date  : 2007-11-28" at 2578,1687 h25; LIB_UNEVALUATED "Creat : Sofer Tech" at 2578,1727 h25; LIB_UNEVALUATED "Ref PN: ***" at 2578,1767 h25; LIB_UNEVALUATED "Sofer Lib Information" at 2548,1817 h25; LIB_UNEVALUATED "SOD-323" at 2615,1445 h30; LIB_UNEVALUATED "Approved" at 2592,1516.67 h35; LIB_UNEVALUATED "2" at 2643.31,1519.33 h16; LIB_UNEVALUATED "1" at 2731.89,1519.33 h16
D5: LIB_UNEVALUATED "Remark: ***" at 2578,1707 h25; LIB_UNEVALUATED "Rev   : B1" at 2578,1747 h25; LIB_UNEVALUATED "Date  : 2007-11-28" at 2578,1787 h25; LIB_UNEVALUATED "Creat : Sofer Tech" at 2578,1827 h25; LIB_UNEVALUATED "Ref PN: ***" at 2578,1867 h25; LIB_UNEVALUATED "Sofer Lib Information" at 2548,1917 h25; LIB_UNEVALUATED "SOD-323" at 2615,1545 h30; LIB_UNEVALUATED "Approved" at 2592,1616.67 h35; LIB_UNEVALUATED "2" at 2643.31,1619.33 h16; LIB_UNEVALUATED "1" at 2731.89,1619.33 h16
H1: LIB_UNEVALUATED "OK" at 2973.99,3670.59 h35; LIB_UNEVALUATED "HOLE_C6D3R5" at 2884.99,3490.59 h30; LIB_UNEVALUATED "Remark: D075-002A1" at 2845.99,3852.59 h25; LIB_UNEVALUATED "Rev   : A1" at 2845.99,3892.59 h25; LIB_UNEVALUATED "Date  : 2011-08-26" at 2845.99,3932.59 h25; LIB_UNEVALUATED "Creat : Yuki" at 2845.99,3972.59 h25; LIB_UNEVALUATED "Ref PN: ***" at 2845.99,4012.59 h25; LIB_UNEVALUATED "Sofer Lib Information" at 2815.99,4062.59 h25; LIB_UNEVALUATED "1" at 2995.59,3670.59 h16
H2: LIB_UNEVALUATED "OK" at 139.34,3670.59 h35; LIB_UNEVALUATED "HOLE_C6D3R5" at 50.34,3490.59 h30; LIB_UNEVALUATED "Remark: D075-002A1" at 11.34,3852.59 h25; LIB_UNEVALUATED "Rev   : A1" at 11.34,3892.59 h25; LIB_UNEVALUATED "Date  : 2011-08-26" at 11.34,3932.59 h25; LIB_UNEVALUATED "Creat : Yuki" at 11.34,3972.59 h25; LIB_UNEVALUATED "Ref PN: ***" at 11.34,4012.59 h25; LIB_UNEVALUATED "Sofer Lib Information" at -18.66,4062.59 h25; LIB_UNEVALUATED "1" at 160.94,3670.59 h16
H4: LIB_UNEVALUATED "OK" at 2973.99,167.33 h35; LIB_UNEVALUATED "HOLE_C6D3R5" at 2884.99,-12.67 h30; LIB_UNEVALUATED "Remark: D075-002A1" at 2845.99,349.33 h25; LIB_UNEVALUATED "Rev   : A1" at 2845.99,389.33 h25; LIB_UNEVALUATED "Date  : 2011-08-26" at 2845.99,429.33 h25; LIB_UNEVALUATED "Creat : Yuki" at 2845.99,469.33 h25; LIB_UNEVALUATED "Ref PN: ***" at 2845.99,509.33 h25; LIB_UNEVALUATED "Sofer Lib Information" at 2815.99,559.33 h25; LIB_UNEVALUATED "1" at 2995.59,167.33 h16
JP1: LIB_UNEVALUATED "2" at 2175,2625 h25 r270; LIB_UNEVALUATED "1" at 2175,2725 h25 r270
L1: LIB_UNEVALUATED "1" at 1313.6,1355 h16 r180; LIB_UNEVALUATED "2" at 1253.6,1355 h16 r180; LIB_UNEVALUATED "Approved" at 1163,1366.67 h35 r180; LIB_UNEVALUATED "L0603" at 1235,1425 h30 r180; LIB_UNEVALUATED "Sofer Lib Information" at 1461,1093 h25 r180; LIB_UNEVALUATED "Ref PN: ***" at 1431,1143 h25 r180; LIB_UNEVALUATED "Creat : Sofer Tech" at 1431,1183 h25 r180; LIB_UNEVALUATED "Date  : 2007-11-27" at 1431,1223 h25 r180; LIB_UNEVALUATED "Rev   : B1" at 1431,1263 h25 r180; LIB_UNEVALUATED "Remark: ***" at 1431,1303 h25 r180
L2: LIB_UNEVALUATED "1" at 831.4,1135 h16; LIB_UNEVALUATED "2" at 891.4,1135 h16; LIB_UNEVALUATED "Approved" at 982,1123.33 h35; LIB_UNEVALUATED "L0603" at 910,1065 h30; LIB_UNEVALUATED "Sofer Lib Information" at 684,1397 h25; LIB_UNEVALUATED "Ref PN: ***" at 714,1347 h25; LIB_UNEVALUATED "Creat : Sofer Tech" at 714,1307 h25; LIB_UNEVALUATED "Date  : 2007-11-27" at 714,1267 h25; LIB_UNEVALUATED "Rev   : B1" at 714,1227 h25; LIB_UNEVALUATED "Remark: ***" at 714,1187 h25
L3: LIB_UNEVALUATED "1" at 831.4,1055 h16; LIB_UNEVALUATED "2" at 891.4,1055 h16; LIB_UNEVALUATED "Approved" at 982,1043.33 h35; LIB_UNEVALUATED "L0603" at 910,985 h30; LIB_UNEVALUATED "Sofer Lib Information" at 684,1317 h25; LIB_UNEVALUATED "Ref PN: ***" at 714,1267 h25; LIB_UNEVALUATED "Creat : Sofer Tech" at 714,1227 h25; LIB_UNEVALUATED "Date  : 2007-11-27" at 714,1187 h25; LIB_UNEVALUATED "Rev   : B1" at 714,1147 h25; LIB_UNEVALUATED "Remark: ***" at 714,1107 h25
L4: LIB_UNEVALUATED "1" at 955,1048.6 h16 r270; LIB_UNEVALUATED "2" at 955,988.6 h16 r270; LIB_UNEVALUATED "Approved" at 943.33,898 h35 r270; LIB_UNEVALUATED "L0603" at 885,970 h30 r270; LIB_UNEVALUATED "Sofer Lib Information" at 1217,1196 h25 r270; LIB_UNEVALUATED "Ref PN: ***" at 1167,1166 h25 r270; LIB_UNEVALUATED "Creat : Sofer Tech" at 1127,1166 h25 r270; LIB_UNEVALUATED "Date  : 2007-11-27" at 1087,1166 h25 r270; LIB_UNEVALUATED "Rev   : B1" at 1047,1166 h25 r270; LIB_UNEVALUATED "Remark: ***" at 1007,1166 h25 r270
L5: LIB_UNEVALUATED "1" at 1218.6,890 h16 r180; LIB_UNEVALUATED "2" at 1158.6,890 h16 r180; LIB_UNEVALUATED "Approved" at 1068,901.67 h35 r180; LIB_UNEVALUATED "L0603" at 1140,960 h30 r180; LIB_UNEVALUATED "Sofer Lib Information" at 1366,628 h25 r180; LIB_UNEVALUATED "Ref PN: ***" at 1336,678 h25 r180; LIB_UNEVALUATED "Creat : Sofer Tech" at 1336,718 h25 r180; LIB_UNEVALUATED "Date  : 2007-11-27" at 1336,758 h25 r180; LIB_UNEVALUATED "Rev   : B1" at 1336,798 h25 r180; LIB_UNEVALUATED "Remark: ***" at 1336,838 h25 r180
L6: LIB_UNEVALUATED "2" at 1048.6,687 h16 r270; LIB_UNEVALUATED "1" at 1048.6,803 h16 r270; LIB_UNEVALUATED "Approved" at 943,745 h35 r270; LIB_UNEVALUATED "L1210" at 886,750 h30 r270; LIB_UNEVALUATED "Sofer Lib Information" at 1347,896 h25 r270; LIB_UNEVALUATED "Ref PN: ***" at 1297,866 h25 r270; LIB_UNEVALUATED "Creat : Sofer Tech" at 1257,866 h25 r270; LIB_UNEVALUATED "Date  : 2010-12-15" at 1217,866 h25 r270; LIB_UNEVALUATED "Rev   : C1" at 1177,866 h25 r270; LIB_UNEVALUATED "Remark: Updated Pad size" at 1137,866 h25 r270